# Altium PCB PCB3_factory.PcbDoc (part 2 of 3) (continued)
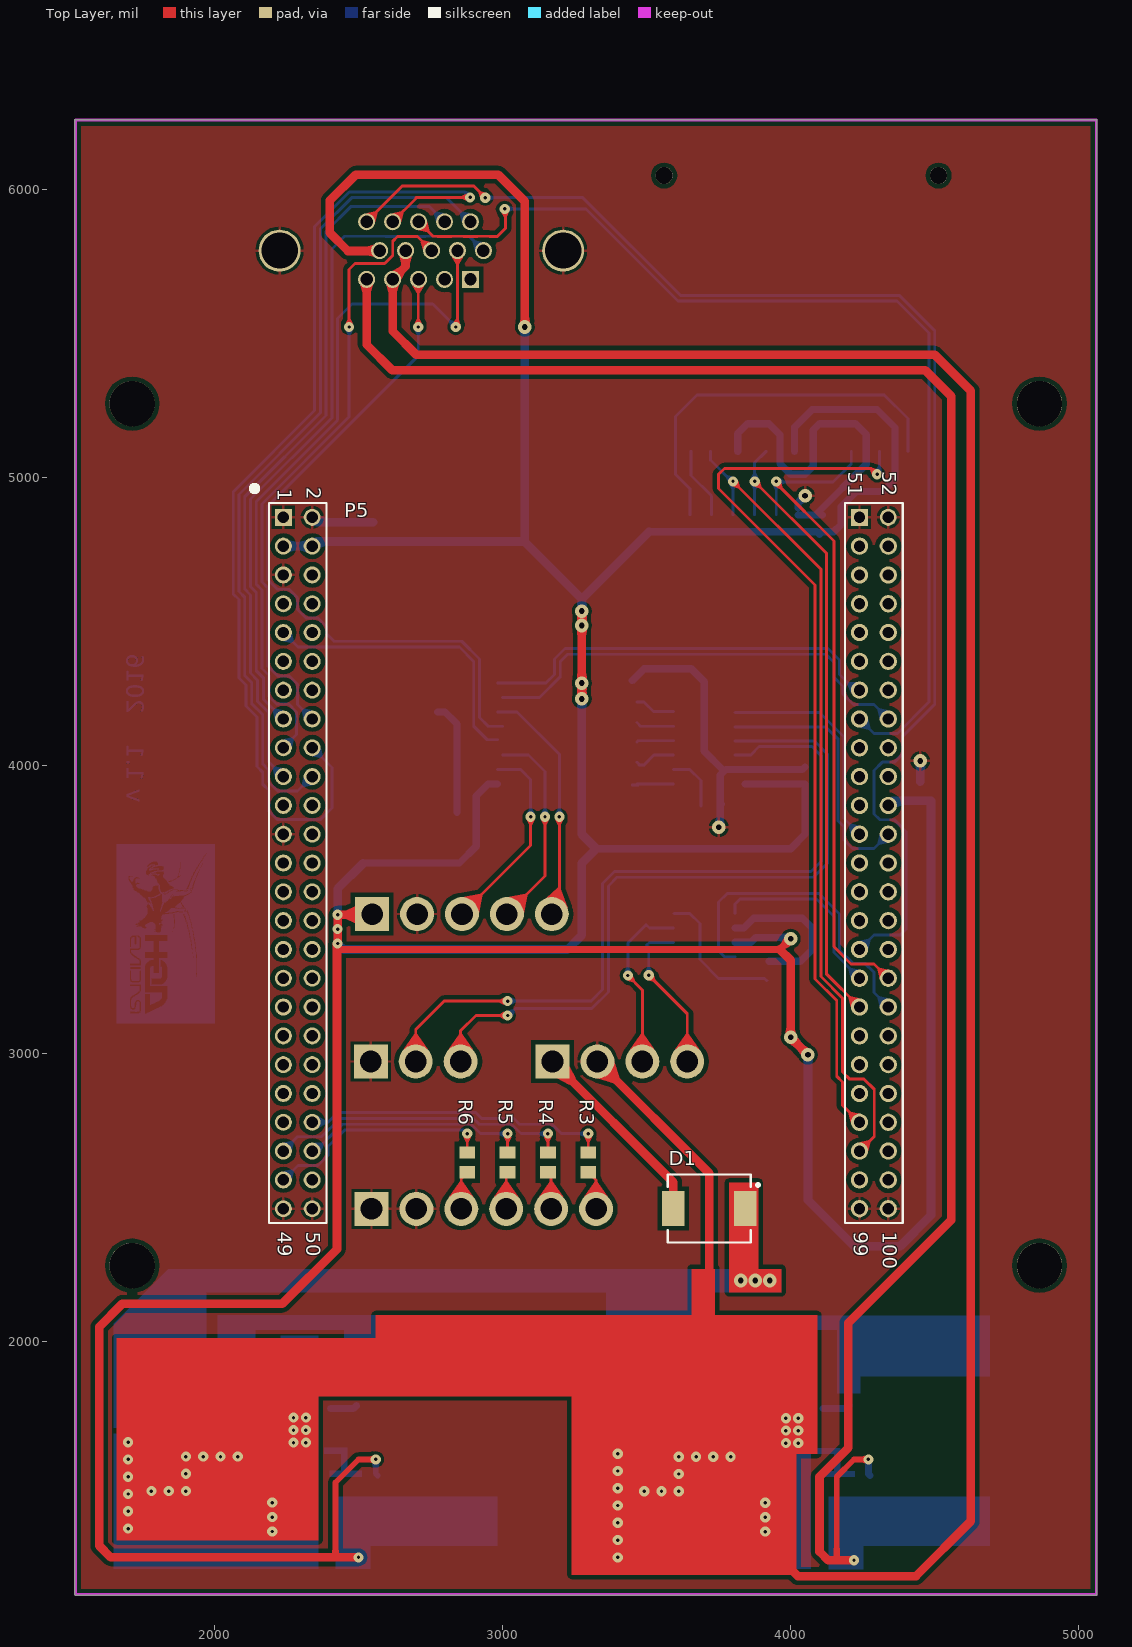
[diagram p0: Top Layer view]
## Nets (pads, with @x,y where several pads share a name; then routed paths per layer and width w, separated by ;. In a path a pad name is that pad's centre, name@x,y a point inside that pad or via, vN(x,y) a via of type N, cw(c..) or ccw(c..) an arc to the next point about the centre after c; other vN are vias at no path point) (continued)
; 1770.05,3320 1770.05,3329 ; 1770.05,3352 1770.05,3389 ; 1770.05,3412 1770.05,3450 ; 1770.05,3520 1770.05,3523 ; 1770.05,3541 1770.05,3542 ; 1770.05,3563 1770.05,3617 ; 1770.05,3644 1770.05,3646 ; 1770.05,3654 1770.05,3726 ; 1771.05,3105 1771.05,3140 ; 1771.05,3207 1771.05,3210 ; 1771.05,3320 1771.05,3329 ; 1771.05,3352 1771.05,3389 ; 1771.05,3412 1771.05,3451 ; 1771.05,3520 1771.05,3523 ; 1771.05,3540 1771.05,3541 ; 1771.05,3563 1771.05,3617 ; 1771.05,3645 1771.05,3647 ; 1771.05,3656 1771.05,3726 ; 1772.05,3105 1772.05,3141 ; 1772.05,3207 1772.05,3210 ; 1772.05,3321 1772.05,3329 ; 1772.05,3352 1772.05,3389 ; 1772.05,3412 1772.05,3451 ; 1772.05,3520 1772.05,3522 ; 1772.05,3538 1772.05,3541 ; 1772.05,3563 1772.05,3617 ; 1772.05,3646 1772.05,3648 ; 1772.05,3657 1772.05,3726 ; 1773.05,3105 1773.05,3141 ; 1773.05,3207 1773.05,3210 ; 1773.05,3322 1773.05,3329 ; 1773.05,3352 1773.05,3389 ; 1773.05,3412 1773.05,3452 ; 1773.05,3519 1773.05,3522 ; 1773.05,3537 1773.05,3541 ; 1773.05,3563 1773.05,3618 ; 1773.05,3646 1773.05,3649 ; 1773.05,3657 1773.05,3726 ; 1774.05,3105 1774.05,3142 ; 1774.05,3207 1774.05,3210 ; 1774.05,3322 1774.05,3329 ; 1774.05,3352 1774.05,3389 ; 1774.05,3412 1774.05,3452 ; 1774.05,3518 1774.05,3521 ; 1774.05,3535 1774.05,3541 ; 1774.05,3563 1774.05,3619 ; 1774.05,3647 1774.05,3649 ; 1774.05,3658 1774.05,3726 ; 1775.05,3105 1775.05,3142 ; 1775.05,3207 1775.05,3210 ; 1775.05,3323 1775.05,3329 ; 1775.05,3352 1775.05,3389 ; 1775.05,3412 1775.05,3453 ; 1775.05,3517 1775.05,3520 ; 1775.05,3534 1775.05,3541 ; 1775.05,3563 1775.05,3620 ; 1775.05,3635 1775.05,3636 ; 1775.05,3648 1775.05,3650 ; 1775.05,3659 1775.05,3726 ; 1776.05,3105 1776.05,3142 ; 1776.05,3207 1776.05,3210 ; 1776.05,3323 1776.05,3329 ; 1776.05,3352 1776.05,3389 ; 1776.05,3412 1776.05,3453 ; 1776.05,3516 1776.05,3519 ; 1776.05,3532 1776.05,3540 ; 1776.05,3563 1776.05,3621 ; 1776.05,3635 1776.05,3638 ; 1776.05,3649 1776.05,3651 ; 1776.05,3660 1776.05,3726 ; 1777.05,3105 1777.05,3143 ; 1777.05,3207 1777.05,3210 ; 1777.05,3323 1777.05,3329 ; 1777.05,3352 1777.05,3389 ; 1777.05,3412 1777.05,3454 ; 1777.05,3515 1777.05,3518 ; 1777.05,3530 1777.05,3534 ; 1777.05,3538 1777.05,3540 ; 1777.05,3563 1777.05,3622 ; 1777.05,3636 1777.05,3640 ; 1777.05,3649 1777.05,3652 ; 1777.05,3661 1777.05,3726 ; 1778.05,3105 1778.05,3143 ; 1778.05,3207 1778.05,3210 ; 1778.05,3324 1778.05,3329 ; 1778.05,3352 1778.05,3389 ; 1778.05,3412 1778.05,3454 ; 1778.05,3514 1778.05,3516 ; 1778.05,3527 1778.05,3532 ; 1778.05,3538 1778.05,3540 ; 1778.05,3563 1778.05,3617 ; 1778.05,3618 1778.05,3623 ; 1778.05,3636 1778.05,3641 ; 1778.05,3650 1778.05,3652 ; 1778.05,3662 1778.05,3726 ; 1779.05,3105 1779.05,3144 ; 1779.05,3169 1779.05,3210 ; 1779.05,3234 1779.05,3297 ; 1779.05,3324 1779.05,3329 ; 1779.05,3352 1779.05,3389 ; 1779.05,3412 1779.05,3454 ; 1779.05,3512 1779.05,3515 ; 1779.05,3524 1779.05,3530 ; 1779.05,3538 1779.05,3540 ; 1779.05,3564 1779.05,3617 ; 1779.05,3619 1779.05,3624 ; 1779.05,3636 1779.05,3642 ; 1779.05,3651 1779.05,3653 ; 1779.05,3662 1779.05,3726 ; 1780.05,3105 1780.05,3144 ; 1780.05,3170 1780.05,3210 ; 1780.05,3234 1780.05,3299 ; 1780.05,3324 1780.05,3329 ; 1780.05,3352 1780.05,3389 ; 1780.05,3412 1780.05,3454 ; 1780.05,3511 1780.05,3514 ; 1780.05,3521 1780.05,3527 ; 1780.05,3538 1780.05,3540 ; 1780.05,3564 1780.05,3617 ; 1780.05,3619 1780.05,3625 ; 1780.05,3636 1780.05,3643 ; 1780.05,3651 1780.05,3653 ; 1780.05,3663 1780.05,3726 ; 1781.05,3105 1781.05,3145 ; 1781.05,3170 1781.05,3210 ; 1781.05,3234 1781.05,3300 ; 1781.05,3324 1781.05,3329 ; 1781.05,3352 1781.05,3389 ; 1781.05,3412 1781.05,3454 ; 1781.05,3509 1781.05,3514 ; 1781.05,3517 1781.05,3524 ; 1781.05,3539 1781.05,3540 ; 1781.05,3565 1781.05,3617 ; 1781.05,3620 1781.05,3626 ; 1781.05,3637 1781.05,3639 ; 1781.05,3641 1781.05,3644 ; 1781.05,3652 1781.05,3654 ; 1781.05,3664 1781.05,3726 ; 1782.05,3105 1782.05,3145 ; 1782.05,3171 1782.05,3210 ; 1782.05,3234 1782.05,3237 ; 1782.05,3261 1782.05,3301 ; 1782.05,3324 1782.05,3329 ; 1782.05,3352 1782.05,3389 ; 1782.05,3412 1782.05,3454 ; 1782.05,3507 1782.05,3521 ; 1782.05,3539 1782.05,3540 ; 1782.05,3566 1782.05,3616 ; 1782.05,3620 1782.05,3622 ; 1782.05,3624 1782.05,3626 ; 1782.05,3637 1782.05,3639 ; 1782.05,3642 1782.05,3644 ; 1782.05,3652 1782.05,3654 ; 1782.05,3664 1782.05,3726 ; 1783.05,3105 1783.05,3146 ; 1783.05,3171 1783.05,3210 ; 1783.05,3234 1783.05,3237 ; 1783.05,3261 1783.05,3301 ; 1783.05,3324 1783.05,3329 ; 1783.05,3352 1783.05,3389 ; 1783.05,3412 1783.05,3454 ; 1783.05,3506 1783.05,3518 ; 1783.05,3539 1783.05,3540 ; 1783.05,3569 1783.05,3616 ; 1783.05,3620 1783.05,3622 ; 1783.05,3625 1783.05,3627 ; 1783.05,3637 1783.05,3639 ; 1783.05,3643 1783.05,3645 ; 1783.05,3652 1783.05,3655 ; 1783.05,3665 1783.05,3726 ; 1784.05,3105 1784.05,3146 ; 1784.05,3171 1784.05,3210 ; 1784.05,3234 1784.05,3237 ; 1784.05,3261 1784.05,3301 ; 1784.05,3325 1784.05,3329 ; 1784.05,3352 1784.05,3389 ; 1784.05,3412 1784.05,3454 ; 1784.05,3504 1784.05,3514 ; 1784.05,3539 1784.05,3540 ; 1784.05,3573 1784.05,3616 ; 1784.05,3620 1784.05,3622 ; 1784.05,3625 1784.05,3627 ; 1784.05,3637 1784.05,3639 ; 1784.05,3644 1784.05,3646 ; 1784.05,3653 1784.05,3655 ; 1784.05,3665 1784.05,3726 ; 1785.05,3105 1785.05,3147 ; 1785.05,3172 1785.05,3210 ; 1785.05,3234 1785.05,3237 ; 1785.05,3261 1785.05,3302 ; 1785.05,3325 1785.05,3329 ; 1785.05,3352 1785.05,3389 ; 1785.05,3412 1785.05,3454 ; 1785.05,3502 1785.05,3511 ; 1785.05,3539 1785.05,3541 ; 1785.05,3577 1785.05,3616 ; 1785.05,3621 1785.05,3622 ; 1785.05,3626 1785.05,3628 ; 1785.05,3637 1785.05,3639 ; 1785.05,3644 1785.05,3647 ; 1785.05,3653 1785.05,3655 ; 1785.05,3665 1785.05,3726 ; 1786.05,3105 1786.05,3147 ; 1786.05,3172 1786.05,3210 ; 1786.05,3234 1786.05,3237 ; 1786.05,3261 1786.05,3302 ; 1786.05,3325 1786.05,3329 ; 1786.05,3352 1786.05,3389 ; 1786.05,3412 1786.05,3453 ; 1786.05,3500 1786.05,3507 ; 1786.05,3539 1786.05,3541 ; 1786.05,3579 1786.05,3616 ; 1786.05,3621 1786.05,3622 ; 1786.05,3626 1786.05,3628 ; 1786.05,3638 1786.05,3639 ; 1786.05,3645 1786.05,3647 ; 1786.05,3653 1786.05,3655 ; 1786.05,3666 1786.05,3726 ; 1787.05,3105 1787.05,3148 ; 1787.05,3173 1787.05,3210 ; 1787.05,3234 1787.05,3237 ; 1787.05,3261 1787.05,3302 ; 1787.05,3325 1787.05,3329 ; 1787.05,3352 1787.05,3389 ; 1787.05,3412 1787.05,3430 ; 1787.05,3432 1787.05,3453 ; 1787.05,3498 1787.05,3504 ; 1787.05,3539 1787.05,3541 ; 1787.05,3580 1787.05,3615 ; 1787.05,3621 1787.05,3623 ; 1787.05,3627 1787.05,3629 ; 1787.05,3638 1787.05,3640 ; 1787.05,3646 1787.05,3648 ; 1787.05,3653 1787.05,3655 ; 1787.05,3666 1787.05,3726 ; 1788.05,3105 1788.05,3148 ; 1788.05,3173 1788.05,3210 ; 1788.05,3234 1788.05,3237 ; 1788.05,3261 1788.05,3278 ; 1788.05,3412 1788.05,3423 ; 1788.05,3425 1788.05,3430 ; 1788.05,3433 1788.05,3453 ; 1788.05,3497 1788.05,3501 ; 1788.05,3539 1788.05,3541 ; 1788.05,3580 1788.05,3615 ; 1788.05,3621 1788.05,3623 ; 1788.05,3627 1788.05,3629 ; 1788.05,3638 1788.05,3640 ; 1788.05,3646 1788.05,3649 ; 1788.05,3653 1788.05,3655 ; 1788.05,3666 1788.05,3726 ; 1789.05,3105 1789.05,3149 ; 1789.05,3174 1789.05,3210 ; 1789.05,3234 1789.05,3237 ; 1789.05,3261 1789.05,3278 ; 1789.05,3412 1789.05,3423 ; 1789.05,3425 1789.05,3430 ; 1789.05,3433 1789.05,3452 ; 1789.05,3495 1789.05,3498 ; 1789.05,3540 1789.05,3542 ; 1789.05,3581 1789.05,3615 ; 1789.05,3621 1789.05,3623 ; 1789.05,3627 1789.05,3629 ; 1789.05,3638 1789.05,3640 ; 1789.05,3647 1789.05,3650 ; 1789.05,3653 1789.05,3655 ; 1789.05,3666 1789.05,3726 ; 1790.05,3105 1790.05,3149 ; 1790.05,3174 1790.05,3210 ; 1790.05,3234 1790.05,3237 ; 1790.05,3261 1790.05,3278 ; 1790.05,3412 1790.05,3422 ; 1790.05,3425 1790.05,3430 ; 1790.05,3433 1790.05,3451 ; 1790.05,3540 1790.05,3542 ; 1790.05,3581 1790.05,3614 ; 1790.05,3621 1790.05,3623 ; 1790.05,3628 1790.05,3630 ; 1790.05,3639 1790.05,3640 ; 1790.05,3647 1790.05,3652 ; 1790.05,3653 1790.05,3655 ; 1790.05,3666 1790.05,3726 ; 1791.05,3105 1791.05,3150 ; 1791.05,3175 1791.05,3210 ; 1791.05,3234 1791.05,3237 ; 1791.05,3261 1791.05,3278 ; 1791.05,3412 1791.05,3422 ; 1791.05,3425 1791.05,3430 ; 1791.05,3433 1791.05,3451 ; 1791.05,3540 1791.05,3542 ; 1791.05,3581 1791.05,3613 ; 1791.05,3621 1791.05,3623 ; 1791.05,3628 1791.05,3630 ; 1791.05,3639 1791.05,3640 ; 1791.05,3648 1791.05,3655 ; 1791.05,3666 1791.05,3726 ; 1792.05,3105 1792.05,3150 ; 1792.05,3175 1792.05,3210 ; 1792.05,3234 1792.05,3237 ; 1792.05,3261 1792.05,3278 ; 1792.05,3412 1792.05,3422 ; 1792.05,3426 1792.05,3429 ; 1792.05,3433 1792.05,3450 ; 1792.05,3541 1792.05,3543 ; 1792.05,3582 1792.05,3612 ; 1792.05,3621 1792.05,3623 ; 1792.05,3628 1792.05,3630 ; 1792.05,3639 1792.05,3640 ; 1792.05,3648 1792.05,3655 ; 1792.05,3666 1792.05,3726 ; 1793.05,3105 1793.05,3151 ; 1793.05,3176 1793.05,3210 ; 1793.05,3234 1793.05,3237 ; 1793.05,3261 1793.05,3278 ; 1793.05,3412 1793.05,3422 ; 1793.05,3426 1793.05,3429 ; 1793.05,3433 1793.05,3448 ; 1793.05,3541 1793.05,3543 ; 1793.05,3582 1793.05,3609 ; 1793.05,3621 1793.05,3623 ; 1793.05,3629 1793.05,3631 ; 1793.05,3639 1793.05,3641 ; 1793.05,3649 1793.05,3651 ; 1793.05,3666 1793.05,3726 ; 1794.05,3105 1794.05,3151 ; 1794.05,3176 1794.05,3210 ; 1794.05,3234 1794.05,3237 ; 1794.05,3261 1794.05,3278 ; 1794.05,3412 1794.05,3421 ; 1794.05,3426 1794.05,3428 ; 1794.05,3433 1794.05,3446 ; 1794.05,3542 1794.05,3544 ; 1794.05,3582 1794.05,3608 ; 1794.05,3621 1794.05,3623 ; 1794.05,3629 1794.05,3631 ; 1794.05,3639 1794.05,3641 ; 1794.05,3649 1794.05,3651 ; 1794.05,3666 1794.05,3726 ; 1795.05,3105 1795.05,3152 ; 1795.05,3177 1795.05,3210 ; 1795.05,3234 1795.05,3237 ; 1795.05,3261 1795.05,3278 ; 1795.05,3412 1795.05,3421 ; 1795.05,3436 1795.05,3438 ; 1795.05,3542 1795.05,3544 ; 1795.05,3582 1795.05,3607 ; 1795.05,3621 1795.05,3623 ; 1795.05,3629 1795.05,3631 ; 1795.05,3639 1795.05,3641 ; 1795.05,3649 1795.05,3651 ; 1795.05,3666 1795.05,3726 ; 1796.05,3105 1796.05,3152 ; 1796.05,3177 1796.05,3210 ; 1796.05,3234 1796.05,3237 ; 1796.05,3261 1796.05,3278 ; 1796.05,3412 1796.05,3421 ; 1796.05,3542 1796.05,3545 ; 1796.05,3583 1796.05,3606 ; 1796.05,3621 1796.05,3623 ; 1796.05,3629 1796.05,3631 ; 1796.05,3639 1796.05,3641 ; 1796.05,3650 1796.05,3651 ; 1796.05,3666 1796.05,3726 ; 1797.05,3105 1797.05,3153 ; 1797.05,3178 1797.05,3210 ; 1797.05,3234 1797.05,3237 ; 1797.05,3261 1797.05,3278 ; 1797.05,3412 1797.05,3420 ; 1797.05,3543 1797.05,3545 ; 1797.05,3583 1797.05,3606 ; 1797.05,3620 1797.05,3623 ; 1797.05,3630 1797.05,3631 ; 1797.05,3639 1797.05,3641 ; 1797.05,3650 1797.05,3651 ; 1797.05,3666 1797.05,3726 ; 1798.05,3105 1798.05,3153 ; 1798.05,3178 1798.05,3210 ; 1798.05,3234 1798.05,3237 ; 1798.05,3261 1798.05,3278 ; 1798.05,3412 1798.05,3420 ; 1798.05,3543 1798.05,3545 ; 1798.05,3583 1798.05,3605 ; 1798.05,3620 1798.05,3622 ; 1798.05,3630 1798.05,3632 ; 1798.05,3639 1798.05,3641 ; 1798.05,3650 1798.05,3652 ; 1798.05,3666 1798.05,3726 ; 1799.05,3105 1799.05,3154 ; 1799.05,3179 1799.05,3210 ; 1799.05,3234 1799.05,3237 ; 1799.05,3261 1799.05,3278 ; 1799.05,3412 1799.05,3420 ; 1799.05,3544 1799.05,3546 ; 1799.05,3583 1799.05,3603 ; 1799.05,3620 1799.05,3622 ; 1799.05,3630 1799.05,3632 ; 1799.05,3640 1799.05,3641 ; 1799.05,3650 1799.05,3652 ; 1799.05,3666 1799.05,3726 ; 1800.05,3105 1800.05,3154 ; 1800.05,3179 1800.05,3210 ; 1800.05,3234 1800.05,3237 ; 1800.05,3261 1800.05,3278 ; 1800.05,3412 1800.05,3419 ; 1800.05,3544 1800.05,3546 ; 1800.05,3583 1800.05,3599 ; 1800.05,3619 1800.05,3621 ; 1800.05,3630 1800.05,3632 ; 1800.05,3640 1800.05,3641 ; 1800.05,3650 1800.05,3652 ; 1800.05,3666 1800.05,3726 ; 1801.05,3105 1801.05,3155 ; 1801.05,3180 1801.05,3210 ; 1801.05,3234 1801.05,3237 ; 1801.05,3261 1801.05,3278 ; 1801.05,3412 1801.05,3419 ; 1801.05,3545 1801.05,3547 ; 1801.05,3583 1801.05,3596 ; 1801.05,3619 1801.05,3621 ; 1801.05,3630 1801.05,3632 ; 1801.05,3640 1801.05,3641 ; 1801.05,3650 1801.05,3652 ; 1801.05,3665 1801.05,3726 ; 1802.05,3105 1802.05,3155 ; 1802.05,3180 1802.05,3210 ; 1802.05,3234 1802.05,3237 ; 1802.05,3261 1802.05,3278 ; 1802.05,3412 1802.05,3419 ; 1802.05,3545 1802.05,3547 ; 1802.05,3584 1802.05,3593 ; 1802.05,3619 1802.05,3620 ; 1802.05,3631 1802.05,3632 ; 1802.05,3640 1802.05,3641 ; 1802.05,3651 1802.05,3652 ; 1802.05,3665 1802.05,3726 ; 1803.05,3105 1803.05,3156 ; 1803.05,3181 1803.05,3210 ; 1803.05,3234 1803.05,3237 ; 1803.05,3261 1803.05,3278 ; 1803.05,3412 1803.05,3418 ; 1803.05,3546 1803.05,3548 ; 1803.05,3584 1803.05,3592 ; 1803.05,3618 1803.05,3620 ; 1803.05,3631 1803.05,3633 ; 1803.05,3639 1803.05,3641 ; 1803.05,3651 1803.05,3653 ; 1803.05,3664 1803.05,3726 ; 1804.05,3105 1804.05,3156 ; 1804.05,3181 1804.05,3210 ; 1804.05,3234 1804.05,3237 ; 1804.05,3261 1804.05,3278 ; 1804.05,3412 1804.05,3418 ; 1804.05,3546 1804.05,3548 ; 1804.05,3584 1804.05,3590 ; 1804.05,3618 1804.05,3620 ; 1804.05,3631 1804.05,3633 ; 1804.05,3639 1804.05,3641 ; 1804.05,3651 1804.05,3653 ; 1804.05,3663 1804.05,3726 ; 1805.05,3105 1805.05,3156 ; 1805.05,3182 1805.05,3210 ; 1805.05,3234 1805.05,3237 ; 1805.05,3261 1805.05,3278 ; 1805.05,3412 1805.05,3418 ; 1805.05,3547 1805.05,3549 ; 1805.05,3584 1805.05,3589 ; 1805.05,3618 1805.05,3620 ; 1805.05,3631 1805.05,3633 ; 1805.05,3638 1805.05,3641 ; 1805.05,3651 1805.05,3653 ; 1805.05,3662 1805.05,3726 ; 1806.05,3105 1806.05,3157 ; 1806.05,3182 1806.05,3210 ; 1806.05,3234 1806.05,3237 ; 1806.05,3261 1806.05,3278 ; 1806.05,3412 1806.05,3418 ; 1806.05,3547 1806.05,3549 ; 1806.05,3584 1806.05,3588 ; 1806.05,3618 1806.05,3621 ; 1806.05,3631 1806.05,3633 ; 1806.05,3638 1806.05,3640 ; 1806.05,3651 1806.05,3653 ; 1806.05,3661 1806.05,3726 ; 1807.05,3105 1807.05,3157 ; 1807.05,3183 1807.05,3210 ; 1807.05,3234 1807.05,3237 ; 1807.05,3261 1807.05,3278 ; 1807.05,3412 1807.05,3418 ; 1807.05,3548 1807.05,3550 ; 1807.05,3584 1807.05,3587 ; 1807.05,3618 1807.05,3621 ; 1807.05,3631 1807.05,3633 ; 1807.05,3651 1807.05,3656 ; 1807.05,3658 1807.05,3726 ; 1808.05,3105 1808.05,3158 ; 1808.05,3183 1808.05,3210 ; 1808.05,3234 1808.05,3237 ; 1808.05,3261 1808.05,3278 ; 1808.05,3412 1808.05,3418 ; 1808.05,3548 1808.05,3550 ; 1808.05,3570 1808.05,3585 ; 1808.05,3619 1808.05,3621 ; 1808.05,3631 1808.05,3633 ; 1808.05,3651 1808.05,3726 ; 1809.05,3105 1809.05,3158 ; 1809.05,3184 1809.05,3210 ; 1809.05,3234 1809.05,3237 ; 1809.05,3261 1809.05,3329 ; 1809.05,3352 1809.05,3389 ; 1809.05,3412 1809.05,3418 ; 1809.05,3549 1809.05,3551 ; 1809.05,3567 1809.05,3584 ; 1809.05,3632 1809.05,3634 ; 1809.05,3651 1809.05,3726 ; 1810.05,3105 1810.05,3159 ; 1810.05,3185 1810.05,3210 ; 1810.05,3234 1810.05,3237 ; 1810.05,3261 1810.05,3329 ; 1810.05,3352 1810.05,3389 ; 1810.05,3412 1810.05,3418 ; 1810.05,3448 1810.05,3452 ; 1810.05,3550 1810.05,3552 ; 1810.05,3564 1810.05,3572 ; 1810.05,3632 1810.05,3634 ; 1810.05,3651 1810.05,3726 ; 1811.05,3105 1811.05,3159 ; 1811.05,3186 1811.05,3210 ; 1811.05,3234 1811.05,3237 ; 1811.05,3261 1811.05,3329 ; 1811.05,3352 1811.05,3389 ; 1811.05,3412 1811.05,3418 ; 1811.05,3450 1811.05,3452 ; 1811.05,3550 1811.05,3552 ; 1811.05,3562 1811.05,3567 ; 1811.05,3632 1811.05,3634 ; 1811.05,3651 1811.05,3726 ; 1812.05,3105 1812.05,3160 ; 1812.05,3186 1812.05,3210 ; 1812.05,3234 1812.05,3237 ; 1812.05,3261 1812.05,3302 ; 1812.05,3325 1812.05,3329 ; 1812.05,3352 1812.05,3389 ; 1812.05,3412 1812.05,3418 ; 1812.05,3451 1812.05,3452 ; 1812.05,3551 1812.05,3553 ; 1812.05,3560 1812.05,3564 ; 1812.05,3632 1812.05,3634 ; 1812.05,3651 1812.05,3726 ; 1813.05,3105 1813.05,3160 ; 1813.05,3187 1813.05,3210 ; 1813.05,3234 1813.05,3238 ; 1813.05,3261 1813.05,3301 ; 1813.05,3325 1813.05,3329 ; 1813.05,3352 1813.05,3389 ; 1813.05,3412 1813.05,3419 ; 1813.05,3493 1813.05,3495 ; 1813.05,3552 1813.05,3554 ; 1813.05,3559 1813.05,3562 ; 1813.05,3632 1813.05,3634 ; 1813.05,3651 1813.05,3726 ; 1814.05,3105 1814.05,3161 ; 1814.05,3189 1814.05,3210 ; 1814.05,3234 1814.05,3238 ; 1814.05,3262 1814.05,3301 ; 1814.05,3325 1814.05,3329 ; 1814.05,3352 1814.05,3389 ; 1814.05,3412 1814.05,3420 ; 1814.05,3496 1814.05,3498 ; 1814.05,3552 1814.05,3554 ; 1814.05,3558 1814.05,3561 ; 1814.05,3632 1814.05,3634 ; 1814.05,3651 1814.05,3726 ; 1815.05,3105 1815.05,3161 ; 1815.05,3190 1815.05,3210 ; 1815.05,3234 1815.05,3238 ; 1815.05,3263 1815.05,3300 ; 1815.05,3325 1815.05,3329 ; 1815.05,3352 1815.05,3389 ; 1815.05,3412 1815.05,3421 ; 1815.05,3498 1815.05,3502 ; 1815.05,3553 1815.05,3556 ; 1815.05,3557 1815.05,3559 ; 1815.05,3632 1815.05,3634 ; 1815.05,3651 1815.05,3726 ; 1816.05,3105 1816.05,3162 ; 1816.05,3192 1816.05,3210 ; 1816.05,3234 1816.05,3238 ; 1816.05,3264 1816.05,3299 ; 1816.05,3325 1816.05,3329 ; 1816.05,3352 1816.05,3389 ; 1816.05,3412 1816.05,3423 ; 1816.05,3501 1816.05,3505 ; 1816.05,3553 1816.05,3559 ; 1816.05,3632 1816.05,3634 ; 1816.05,3651 1816.05,3726 ; 1817.05,3105 1817.05,3162 ; 1817.05,3194 1817.05,3210 ; 1817.05,3234 1817.05,3238 ; 1817.05,3265 1817.05,3297 ; 1817.05,3324 1817.05,3329 ; 1817.05,3352 1817.05,3389 ; 1817.05,3412 1817.05,3435 ; 1817.05,3455 1817.05,3456 ; 1817.05,3466 1817.05,3471 ; 1817.05,3504 1817.05,3509 ; 1817.05,3554 1817.05,3558 ; 1817.05,3632 1817.05,3634 ; 1817.05,3651 1817.05,3726 ; 1818.05,3105 1818.05,3163 ; 1818.05,3234 1818.05,3239 ; 1818.05,3324 1818.05,3329 ; 1818.05,3352 1818.05,3389 ; 1818.05,3412 1818.05,3441 ; 1818.05,3451 1818.05,3457 ; 1818.05,3466 1818.05,3474 ; 1818.05,3506 1818.05,3512 ; 1818.05,3555 1818.05,3558 ; 1818.05,3632 1818.05,3634 ; 1818.05,3651 1818.05,3726 ; 1819.05,3105 1819.05,3164 ; 1819.05,3234 1819.05,3239 ; 1819.05,3324 1819.05,3329 ; 1819.05,3352 1819.05,3389 ; 1819.05,3412 1819.05,3442 ; 1819.05,3449 1819.05,3459 ; 1819.05,3466 1819.05,3476 ; 1819.05,3508 1819.05,3516 ; 1819.05,3555 1819.05,3558 ; 1819.05,3632 1819.05,3635 ; 1819.05,3651 1819.05,3726 ; 1820.05,3105 1820.05,3164 ; 1820.05,3234 1820.05,3239 ; 1820.05,3323 1820.05,3329 ; 1820.05,3352 1820.05,3389 ; 1820.05,3412 1820.05,3443 ; 1820.05,3448 1820.05,3459 ; 1820.05,3466 1820.05,3478 ; 1820.05,3511 1820.05,3519 ; 1820.05,3535 1820.05,3558 ; 1820.05,3632 1820.05,3635 ; 1820.05,3651 1820.05,3726 ; 1821.05,3105 1821.05,3165 ; 1821.05,3234 1821.05,3240 ; 1821.05,3323 1821.05,3329 ; 1821.05,3352 1821.05,3389 ; 1821.05,3412 1821.05,3443 ; 1821.05,3448 1821.05,3460 ; 1821.05,3466 1821.05,3479 ; 1821.05,3513 1821.05,3523 ; 1821.05,3526 1821.05,3558 ; 1821.05,3632 1821.05,3635 ; 1821.05,3651 1821.05,3726 ; 1822.05,3105 1822.05,3166 ; 1822.05,3234 1822.05,3240 ; 1822.05,3322 1822.05,3329 ; 1822.05,3352 1822.05,3389 ; 1822.05,3412 1822.05,3443 ; 1822.05,3447 1822.05,3461 ; 1822.05,3466 1822.05,3480 ; 1822.05,3516 1822.05,3553 ; 1822.05,3557 1822.05,3559 ; 1822.05,3632 1822.05,3635 ; 1822.05,3650 1822.05,3726 ; 1823.05,3105 1823.05,3166 ; 1823.05,3234 1823.05,3241 ; 1823.05,3322 1823.05,3329 ; 1823.05,3352 1823.05,3389 ; 1823.05,3412 1823.05,3462 ; 1823.05,3466 1823.05,3480 ; 1823.05,3519 1823.05,3552 ; 1823.05,3557 1823.05,3559 ; 1823.05,3616 1823.05,3619 ; 1823.05,3632 1823.05,3636 ; 1823.05,3650 1823.05,3726 ; 1824.05,3105 1824.05,3167 ; 1824.05,3234 1824.05,3241 ; 1824.05,3321 1824.05,3329 ; 1824.05,3352 1824.05,3389 ; 1824.05,3412 1824.05,3463 ; 1824.05,3466 1824.05,3481 ; 1824.05,3521 1824.05,3551 ; 1824.05,3557 1824.05,3559 ; 1824.05,3613 1824.05,3619 ; 1824.05,3632 1824.05,3637 ; 1824.05,3649 1824.05,3726 ; 1825.05,3105 1825.05,3168 ; 1825.05,3234 1825.05,3242 ; 1825.05,3321 1825.05,3329 ; 1825.05,3352 1825.05,3389 ; 1825.05,3412 1825.05,3464 ; 1825.05,3466 1825.05,3481 ; 1825.05,3522 1825.05,3551 ; 1825.05,3556 1825.05,3559 ; 1825.05,3612 1825.05,3620 ; 1825.05,3631 1825.05,3638 ; 1825.05,3648 1825.05,3726 ; 1826.05,3105 1826.05,3169 ; 1826.05,3234 1826.05,3243 ; 1826.05,3320 1826.05,3329 ; 1826.05,3352 1826.05,3389 ; 1826.05,3412 1826.05,3481 ; 1826.05,3523 1826.05,3551 ; 1826.05,3556 1826.05,3559 ; 1826.05,3610 1826.05,3621 ; 1826.05,3629 1826.05,3640 ; 1826.05,3646 1826.05,3726 ; 1827.05,3105 1827.05,3170 ; 1827.05,3234 1827.05,3244 ; 1827.05,3319 1827.05,3329 ; 1827.05,3352 1827.05,3389 ; 1827.05,3412 1827.05,3481 ; 1827.05,3524 1827.05,3551 ; 1827.05,3556 1827.05,3558 ; 1827.05,3609 1827.05,3726 ; 1828.05,3105 1828.05,3171 ; 1828.05,3234 1828.05,3244 ; 1828.05,3318 1828.05,3329 ; 1828.05,3352 1828.05,3389 ; 1828.05,3412 1828.05,3481 ; 1828.05,3524 1828.05,3551 ; 1828.05,3556 1828.05,3558 ; 1828.05,3608 1828.05,3726 ; 1829.05,3105 1829.05,3172 ; 1829.05,3234 1829.05,3245 ; 1829.05,3317 1829.05,3329 ; 1829.05,3352 1829.05,3389 ; 1829.05,3412 1829.05,3482 ; 1829.05,3525 1829.05,3551 ; 1829.05,3556 1829.05,3558 ; 1829.05,3607 1829.05,3726 ; 1830.05,3105 1830.05,3173 ; 1830.05,3234 1830.05,3246 ; 1830.05,3316 1830.05,3329 ; 1830.05,3352 1830.05,3389 ; 1830.05,3412 1830.05,3482 ; 1830.05,3525 1830.05,3551 ; 1830.05,3556 1830.05,3558 ; 1830.05,3606 1830.05,3726 ; 1831.05,3105 1831.05,3175 ; 1831.05,3234 1831.05,3248 ; 1831.05,3315 1831.05,3329 ; 1831.05,3352 1831.05,3389 ; 1831.05,3412 1831.05,3482 ; 1831.05,3526 1831.05,3551 ; 1831.05,3556 1831.05,3559 ; 1831.05,3605 1831.05,3726 ; 1832.05,3105 1832.05,3176 ; 1832.05,3234 1832.05,3249 ; 1832.05,3314 1832.05,3329 ; 1832.05,3352 1832.05,3389 ; 1832.05,3412 1832.05,3482 ; 1832.05,3487 1832.05,3488 ; 1832.05,3526 1832.05,3551 ; 1832.05,3557 1832.05,3559 ; 1832.05,3604 1832.05,3726 ; 1833.05,3105 1833.05,3178 ; 1833.05,3234 1833.05,3250 ; 1833.05,3312 1833.05,3329 ; 1833.05,3352 1833.05,3389 ; 1833.05,3412 1833.05,3482 ; 1833.05,3488 1833.05,3489 ; 1833.05,3527 1833.05,3552 ; 1833.05,3557 1833.05,3560 ; 1833.05,3602 1833.05,3726 ; 1834.05,3105 1834.05,3180 ; 1834.05,3234 1834.05,3252 ; 1834.05,3310 1834.05,3329 ; 1834.05,3352 1834.05,3389 ; 1834.05,3412 1834.05,3482 ; 1834.05,3488 1834.05,3489 ; 1834.05,3528 1834.05,3552 ; 1834.05,3558 1834.05,3560 ; 1834.05,3601 1834.05,3726 ; 1835.05,3105 1835.05,3182 ; 1835.05,3234 1835.05,3254 ; 1835.05,3309 1835.05,3329 ; 1835.05,3352 1835.05,3389 ; 1835.05,3412 1835.05,3482 ; 1835.05,3488 1835.05,3490 ; 1835.05,3528 1835.05,3553 ; 1835.05,3558 1835.05,3561 ; 1835.05,3600 1835.05,3726 ; 1836.05,3105 1836.05,3185 ; 1836.05,3234 1836.05,3256 ; 1836.05,3306 1836.05,3329 ; 1836.05,3352 1836.05,3389 ; 1836.05,3412 1836.05,3482 ; 1836.05,3488 1836.05,3490 ; 1836.05,3529 1836.05,3553 ; 1836.05,3559 1836.05,3561 ; 1836.05,3599 1836.05,3726 ; 1837.05,3105 1837.05,3187 ; 1837.05,3234 1837.05,3258 ; 1837.05,3304 1837.05,3329 ; 1837.05,3352 1837.05,3389 ; 1837.05,3412 1837.05,3483 ; 1837.05,3488 1837.05,3491 ; 1837.05,3530 1837.05,3554 ; 1837.05,3559 1837.05,3562 ; 1837.05,3597 1837.05,3726 ; 1838.05,3105 1838.05,3189 ; 1838.05,3234 1838.05,3262 ; 1838.05,3300 1838.05,3329 ; 1838.05,3352 1838.05,3389 ; 1838.05,3412 1838.05,3483 ; 1838.05,3489 1838.05,3491 ; 1838.05,3531 1838.05,3554 ; 1838.05,3560 1838.05,3562 ; 1838.05,3596 1838.05,3726 ; 1839.05,3105 1839.05,3202 ; 1839.05,3232 1839.05,3269 ; 1839.05,3293 1839.05,3329 ; 1839.05,3350 1839.05,3389 ; 1839.05,3412 1839.05,3483 ; 1839.05,3489 1839.05,3492 ; 1839.05,3532 1839.05,3555 ; 1839.05,3561 1839.05,3563 ; 1839.05,3594 1839.05,3726 ; 1840.05,3105 1840.05,3483 ; 1840.05,3489 1840.05,3493 ; 1840.05,3534 1840.05,3556 ; 1840.05,3561 1840.05,3564 ; 1840.05,3593 1840.05,3726 ; 1841.05,3105 1841.05,3483 ; 1841.05,3489 1841.05,3493 ; 1841.05,3535 1841.05,3556 ; 1841.05,3562 1841.05,3564 ; 1841.05,3591 1841.05,3594 ; 1841.05,3598 1841.05,3726 ; 1842.05,3105 1842.05,3483 ; 1842.05,3490 1842.05,3494 ; 1842.05,3537 1842.05,3557 ; 1842.05,3562 1842.05,3565 ; 1842.05,3590 1842.05,3593 ; 1842.05,3598 1842.05,3726 ; 1843.05,3105 1843.05,3483 ; 1843.05,3490 1843.05,3495 ; 1843.05,3539 1843.05,3558 ; 1843.05,3563 1843.05,3565 ; 1843.05,3588 1843.05,3593 ; 1843.05,3599 1843.05,3726 ; 1844.05,3105 1844.05,3484 ; 1844.05,3490 1844.05,3496 ; 1844.05,3540 1844.05,3558 ; 1844.05,3563 1844.05,3565 ; 1844.05,3587 1844.05,3593 ; 1844.05,3599 1844.05,3726 ; 1845.05,3105 1845.05,3484 ; 1845.05,3490 1845.05,3497 ; 1845.05,3542 1845.05,3559 ; 1845.05,3564 1845.05,3566 ; 1845.05,3586 1845.05,3593 ; 1845.05,3599 1845.05,3726 ; 1846.05,3105 1846.05,3484 ; 1846.05,3490 1846.05,3498 ; 1846.05,3543 1846.05,3559 ; 1846.05,3565 1846.05,3566 ; 1846.05,3585 1846.05,3594 ; 1846.05,3599 1846.05,3726 ; 1847.05,3105 1847.05,3484 ; 1847.05,3490 1847.05,3499 ; 1847.05,3536 1847.05,3537 ; 1847.05,3545 1847.05,3560 ; 1847.05,3565 1847.05,3567 ; 1847.05,3584 1847.05,3594 ; 1847.05,3600 1847.05,3726 ; 1848.05,3105 1848.05,3484 ; 1848.05,3490 1848.05,3500 ; 1848.05,3537 1848.05,3539 ; 1848.05,3546 1848.05,3561 ; 1848.05,3566 1848.05,3567 ; 1848.05,3584 1848.05,3594 ; 1848.05,3600 1848.05,3726 ; 1849.05,3105 1849.05,3484 ; 1849.05,3490 1849.05,3501 ; 1849.05,3538 1849.05,3540 ; 1849.05,3548 1849.05,3561 ; 1849.05,3566 1849.05,3568 ; 1849.05,3583 1849.05,3595 ; 1849.05,3600 1849.05,3726 ; 1850.05,3105 1850.05,3484 ; 1850.05,3490 1850.05,3502 ; 1850.05,3540 1850.05,3541 ; 1850.05,3549 1850.05,3562 ; 1850.05,3567 1850.05,3568 ; 1850.05,3583 1850.05,3595 ; 1850.05,3600 1850.05,3726 ; 1851.05,3105 1851.05,3484 ; 1851.05,3490 1851.05,3503 ; 1851.05,3541 1851.05,3543 ; 1851.05,3550 1851.05,3562 ; 1851.05,3567 1851.05,3569 ; 1851.05,3582 1851.05,3595 ; 1851.05,3601 1851.05,3726 ; 1852.05,3105 1852.05,3485 ; 1852.05,3490 1852.05,3504 ; 1852.05,3542 1852.05,3544 ; 1852.05,3551 1852.05,3562 ; 1852.05,3568 1852.05,3569 ; 1852.05,3582 1852.05,3596 ; 1852.05,3601 1852.05,3726 ; 1853.05,3105 1853.05,3415 ; 1853.05,3417 1853.05,3485 ; 1853.05,3490 1853.05,3503 ; 1853.05,3544 1853.05,3546 ; 1853.05,3552 1853.05,3563 ; 1853.05,3568 1853.05,3570 ; 1853.05,3581 1853.05,3596 ; 1853.05,3601 1853.05,3726 ; 1854.05,3105 1854.05,3415 ; 1854.05,3421 1854.05,3485 ; 1854.05,3491 1854.05,3503 ; 1854.05,3545 1854.05,3547 ; 1854.05,3553 1854.05,3563 ; 1854.05,3568 1854.05,3570 ; 1854.05,3581 1854.05,3597 ; 1854.05,3602 1854.05,3726 ; 1855.05,3105 1855.05,3416 ; 1855.05,3424 1855.05,3485 ; 1855.05,3491 1855.05,3503 ; 1855.05,3547 1855.05,3548 ; 1855.05,3553 1855.05,3564 ; 1855.05,3569 1855.05,3570 ; 1855.05,3580 1855.05,3597 ; 1855.05,3602 1855.05,3726 ; 1856.05,3105 1856.05,3418 ; 1856.05,3427 1856.05,3485 ; 1856.05,3491 1856.05,3503 ; 1856.05,3548 1856.05,3550 ; 1856.05,3553 1856.05,3564 ; 1856.05,3569 1856.05,3571 ; 1856.05,3580 1856.05,3598 ; 1856.05,3603 1856.05,3726 ; 1857.05,3105 1857.05,3420 ; 1857.05,3431 1857.05,3480 ; 1857.05,3483 1857.05,3485 ; 1857.05,3491 1857.05,3503 ; 1857.05,3549 1857.05,3564 ; 1857.05,3569 1857.05,3571 ; 1857.05,3579 1857.05,3598 ; 1857.05,3603 1857.05,3726 ; 1858.05,3105 1858.05,3422 ; 1858.05,3437 1858.05,3470 ; 1858.05,3483 1858.05,3485 ; 1858.05,3491 1858.05,3503 ; 1858.05,3550 1858.05,3565 ; 1858.05,3570 1858.05,3571 ; 1858.05,3578 1858.05,3598 ; 1858.05,3604 1858.05,3726 ; 1859.05,3105 1859.05,3425 ; 1859.05,3445 1859.05,3460 ; 1859.05,3483 1859.05,3486 ; 1859.05,3492 1859.05,3503 ; 1859.05,3551 1859.05,3565 ; 1859.05,3570 1859.05,3571 ; 1859.05,3578 1859.05,3599 ; 1859.05,3604 1859.05,3726 ; 1860.05,3105 1860.05,3427 ; 1860.05,3484 1860.05,3486 ; 1860.05,3492 1860.05,3503 ; 1860.05,3545 1860.05,3546 ; 1860.05,3551 1860.05,3565 ; 1860.05,3570 1860.05,3572 ; 1860.05,3577 1860.05,3599 ; 1860.05,3605 1860.05,3726 ; 1861.05,3105 1861.05,3431 ; 1861.05,3484 1861.05,3486 ; 1861.05,3492 1861.05,3503 ; 1861.05,3546 1861.05,3548 ; 1861.05,3551 1861.05,3566 ; 1861.05,3570 1861.05,3572 ; 1861.05,3576 1861.05,3600 ; 1861.05,3605 1861.05,3726 ; 1862.05,3105 1862.05,3435 ; 1862.05,3484 1862.05,3486 ; 1862.05,3492 1862.05,3503 ; 1862.05,3546 1862.05,3566 ; 1862.05,3570 1862.05,3572 ; 1862.05,3575 1862.05,3600 ; 1862.05,3606 1862.05,3726 ; 1863.05,3105 1863.05,3440 ; 1863.05,3475 1863.05,3487 ; 1863.05,3492 1863.05,3502 ; 1863.05,3546 1863.05,3566 ; 1863.05,3570 1863.05,3572 ; 1863.05,3573 1863.05,3601 ; 1863.05,3606 1863.05,3726 ; 1864.05,3105 1864.05,3450 ; 1864.05,3466 1864.05,3487 ; 1864.05,3493 1864.05,3502 ; 1864.05,3546 1864.05,3566 ; 1864.05,3570 1864.05,3602 ; 1864.05,3607 1864.05,3726 ; 1865.05,3105 1865.05,3487 ; 1865.05,3493 1865.05,3502 ; 1865.05,3508 1865.05,3509 ; 1865.05,3546 1865.05,3566 ; 1865.05,3570 1865.05,3602 ; 1865.05,3607 1865.05,3726